# KiCad board ABG-K7072.kicad_pcb (continued)
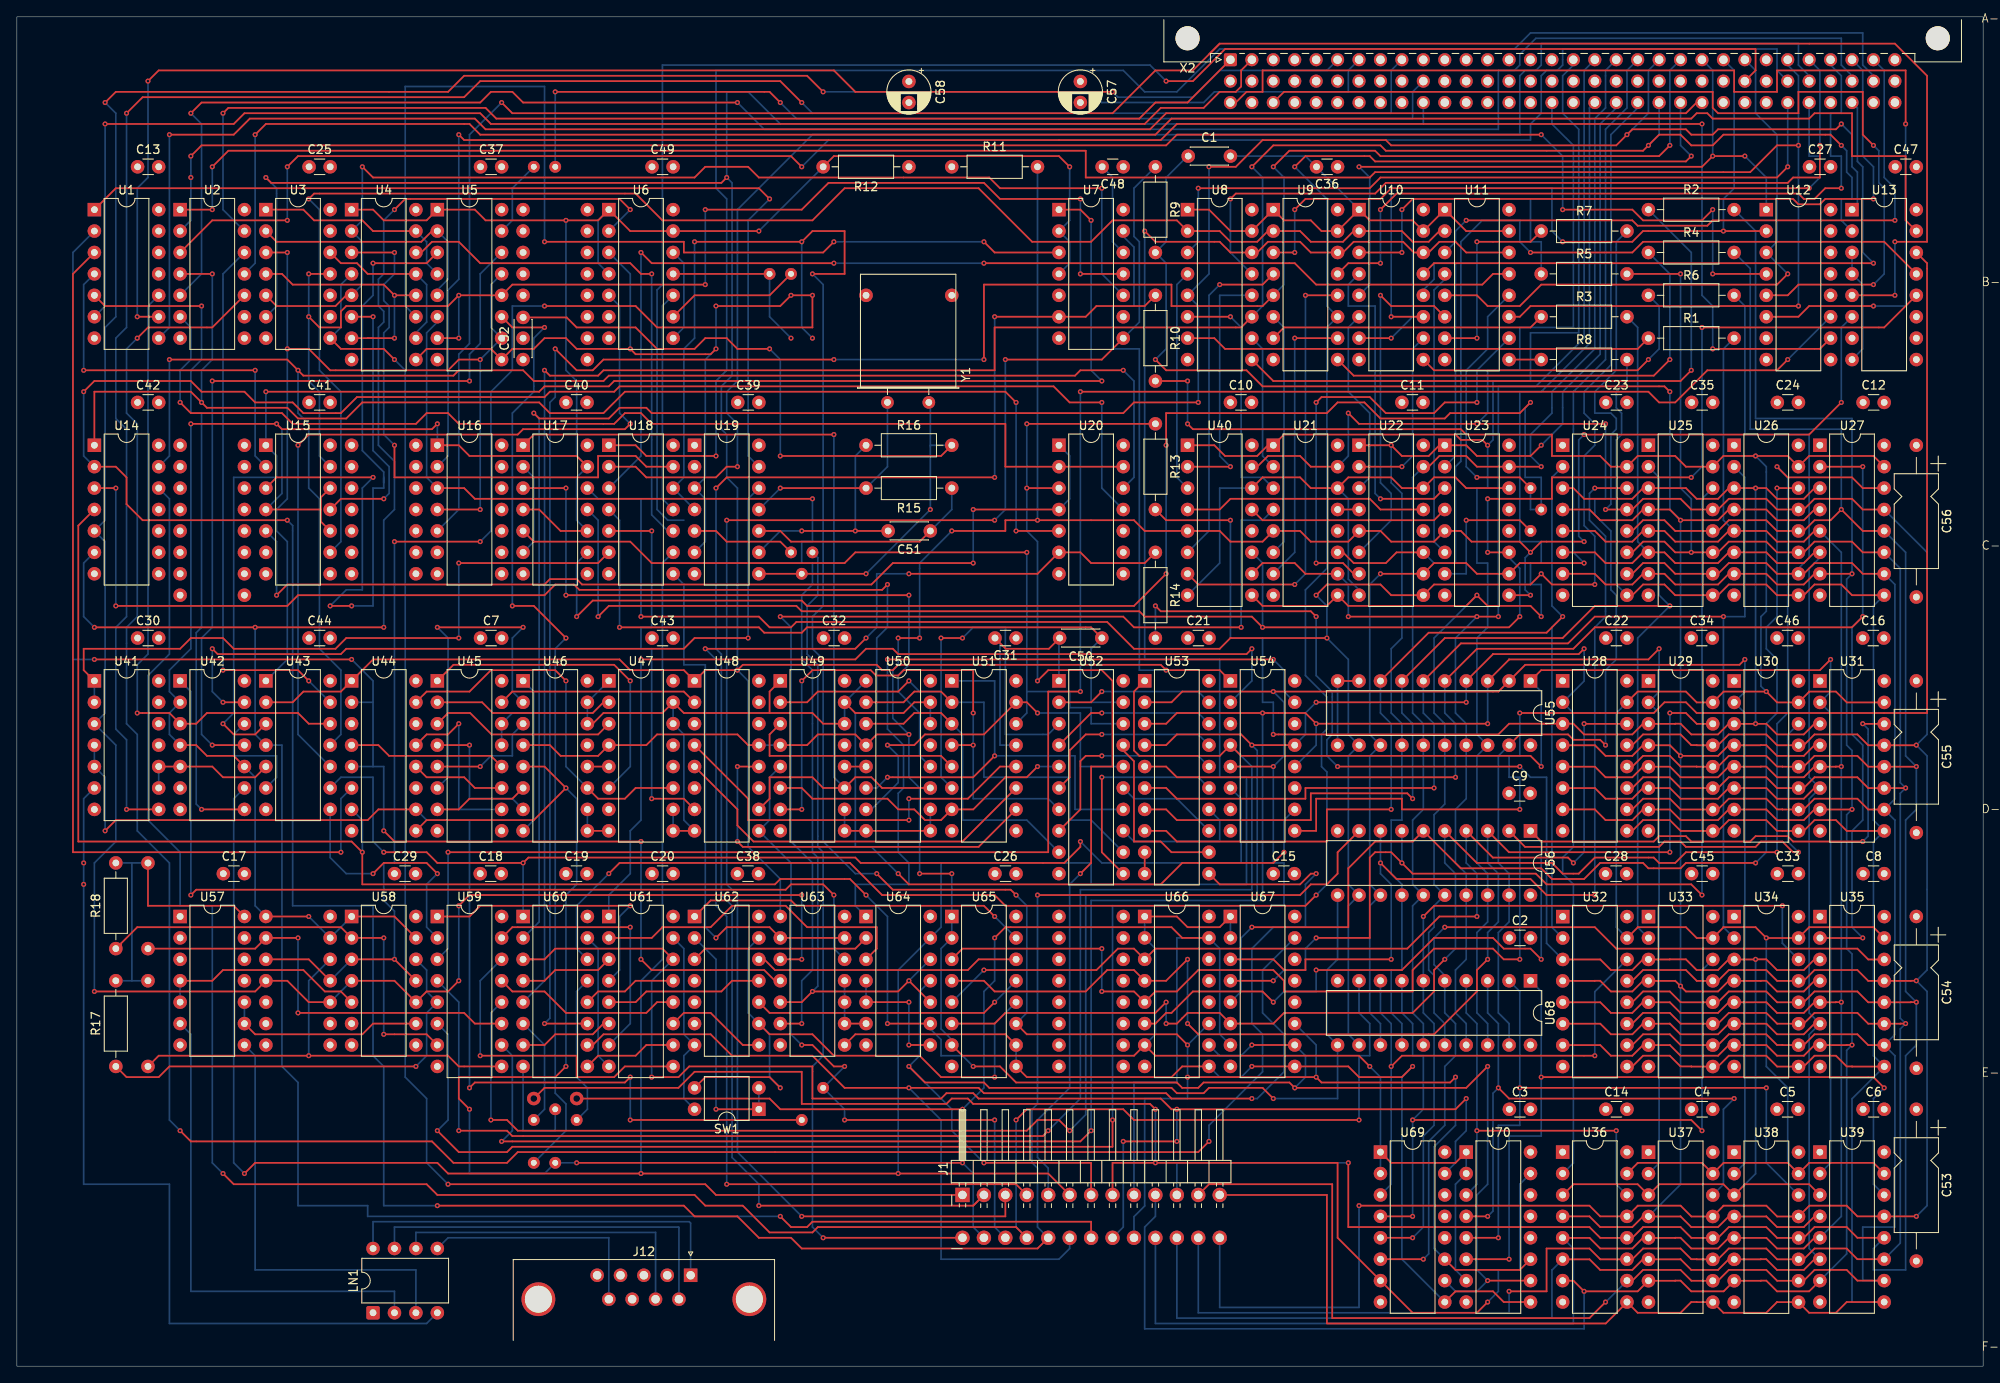
[diagram p0: board, top side]
## Routing (per net, layer and track width the routed paths; a pad name or vN(x,y) marks a point on that pad's centre or on a via; arc(x,y) is an arc through that point) (continued)
Net-(U19-Pad12): length 92.3
  Top w0.2: v1(24.42,78.72) U42.13 ; v1(86.66,86.34) 80.3,86.34 79.03,85.07 39.03,85.07 38.39,84.44 23.79,84.44 v1(23.16,85.07)
  Bottom w0.2: U19.12 86.66,102.85 v1(86.66,86.34) ; v1(23.16,85.07) 23.16,79.99 v1(24.42,78.72)
Net-(U21-1): length 29
  Top w0.2: v1(143.81,124.44) U8.6
  Bottom w0.2: v1(143.81,124.44) 145.07,123.17 145.07,105.39 147.62,105.39 U21.3
Net-(U21-3): length 29
  Bottom w0.2: U9.6 150.16,123.17 150.16,97.77 U21.6
Net-(U21-4): length 34.1
  Top w0.2: v1(151.43,121.9) U9.10
  Bottom w0.2: v1(151.43,121.9) 151.43,96.5 U21.7
Net-(U21-P2): length 2.5
  Top w0.2: U21.13 U22.4
Net-(U21-T2): length 125.1
  Top w0.2: v1(145.07,87.61) 132.38,87.61 131.1,88.88 v1(90.47,88.88) ; v1(93,40.62) U63.6
  Bottom w0.2: v1(90.47,88.88) 91.73,87.61 91.73,62.21 94.28,59.67 94.28,46.97 93,45.7 v1(93,40.62) ; U21.4 147.62,100.31 145.07,100.31 v1(145.07,87.61)
Net-(U22-P2): length 29
  Top w0.2: U22.13 161.59,101.58 160.31,102.85 143.81,102.85 142.53,101.58 U40.4
Net-(U23-4): length 17
  Top w0.2: TP2.1 178.09,100.31 v1(171.75,100.31)
  Bottom w0.2: U23.7 171.75,93.96 v1(171.75,100.31)
Net-(U23-T2): length 23.9
  Top w0.2: U40.13 147.62,100.31 167.94,100.31 U23.4
Net-(U40-1): length 26.5
  Bottom w0.2: U40.3 137.46,105.39 137.46,128.25 U8.4
Net-(U40-3): length 40.2
  Top w0.2: v1(142.53,128.25) 147.62,128.25 U9.4
  Bottom w0.2: U40.6 141.26,99.04 141.26,126.98 v1(142.53,128.25)
Net-(U40-4): length 51.9
  Top w0.2: U9.12 v1(152.69,126.98) ; v1(151.43,92.69) 140,92.69 U40.7
  Bottom w0.2: v1(152.69,126.98) 152.69,93.96 v1(151.43,92.69)
Net-(U41-Pad10): length 16.3
  Top w0.2: U41.10 U42.5 23.16,71.1 24.42,69.83 28.23,69.83 U43.5
  Bottom w0.2: U41.10 U41.9
Net-(U42-Pad1): length 111.3
  Top w0.2: v1(96.81,55.86) 95.54,57.13 91.73,57.13 91.1,56.5 21.25,56.5 v1(20.61,55.86)
  Bottom w0.2: U63.12 96.81,49.51 v1(96.81,55.86) ; v1(20.61,55.86) 20.61,79.99 U42.1
Net-(U42-Pad12): length 13.8
  Bottom w0.2: U42.12 25.69,74.91 25.69,72.37 30.78,72.37 30.78,69.83 U43.6
Net-(U43-Pad10): length 96.4
  Top w0.2: v1(33.31,109.2) 34.58,110.47 59.35,110.47 59.98,111.1 72.05,111.1 v1(72.69,111.74)
  Bottom w0.2: U6.5 71.41,125.71 71.41,113.01 v1(72.69,111.74) ; U43.10 33.31,74.91 v1(33.31,109.2)
Net-(U44-D1): length 18.8
  Top w0.2: U45.12 56.17,72.37 44.11,72.37 42.84,73.64 U44.4
Net-(U44-D3): length 11.2
  Top w0.2: U45.11 54.27,68.56 53,69.83 48.55,69.83 U44.12
Net-(U44-D4): length 21.4
  Top w0.2: U44.13 48.55,74.91 51.09,74.91 v1(52.36,76.18)
  Bottom w0.2: U45.10 52.36,66.02 v1(52.36,76.18)
Net-(U45-A0): length 13.8
  Top w0.2: v1(54.91,71.1) U45.5
  Bottom w0.2: U46.3 58.72,74.91 58.72,72.37 56.17,72.37 v1(54.91,71.1)
Net-(U45-A1): length 40.2
  Top w0.2: v1(49.83,87.61) v1(59.98,87.61)
  Bottom w0.2: U45.6 51.09,69.83 51.09,86.34 v1(49.83,87.61) ; v1(59.98,87.61) 58.72,86.34 58.72,79.99 U46.2
Net-(U45-A2): length 11.2
  Top w0.2: U46.6 58.72,67.29 53.64,67.29 52.36,66.02 U45.7
Net-(U45-A3): length 17
  Top w0.2: v1(53.64,73.64) U45.4
  Bottom w0.2: U46.7 58.72,67.29 53.64,67.29 v1(53.64,73.64)
Net-(U45-A4): length 22.4
  Top w0.2: U45.3 51.09,77.45 53.71,77.45 56.25,74.91 68.88,74.91 U47.3
Net-(U45-A5): length 21.4
  Top w0.2: U45.2 55.13,78.72 56.4,77.45 68.24,77.45 69.51,78.72 U47.2
Net-(U45-A6): length 38.2
  Top w0.2: U45.1 51.73,83.16 70.78,83.16 v1(72.69,81.26)
  Bottom w0.2: v1(72.69,81.26) 72.69,71.1 U47.6
Net-(U45-A7): length 23.9
  Top w0.2: U45.15 58.72,79.99 79.03,79.99 U48.2
Net-(U46-L): length 44.8
  Top w0.2: U46.11 68.88,67.29 72.05,67.29 73.32,68.56 U47.11 ; U44.15 48.55,79.99 53.64,79.99 56.17,82.53 63.8,82.53 v1(65.06,81.26)
  Bottom w0.2: U46.11 65.06,71.1 v1(65.06,81.26)
Net-(U46-P1): length 2.5
  Top w0.2: U46.12 U47.5
Net-(U48-D1): length 47.4
  Top w0.2: U48.4 86.66,67.29 86.66,64.75 v1(105.71,64.75) ; U51.12 116.5,71.1 112.69,67.29 v1(105.71,67.29)
  Bottom w0.2: v1(105.71,64.75) v1(105.71,67.29)
Net-(U48-D2): length 45.5
  Top w0.2: U48.5 85.38,66.02 85.38,64.12 87.29,62.21 112.06,62.21 U51.11
Net-(U49-1): length 26.5
  Top w0.2: U51.5 109.51,72.37 89.19,72.37 89.19,74.91 U49.3
Net-(U49-3): length 37.2
  Top w0.2: v1(120.94,71.1) 119.68,69.83 117.13,69.83 113.32,66.02 U51.7 109.51,64.75 107.61,64.75 106.34,66.02 104.44,66.02 103.16,67.29 94.28,67.29 93,68.56 U49.6
  Bottom w0.2: U52.5 v1(120.94,71.1)
Net-(U49-4): length 67.6
  Top w0.2: v1(93,66.02) U49.7 ; U51.4 v1(113.32,73.64) ; v1(113.32,77.45) 113.32,82.53 105.07,82.53 104.44,81.89 101.81,81.89 101.18,82.53 94.28,82.53 v1(93,81.26)
  Bottom w0.2: U52.7 122.22,67.29 113.32,67.29 v1(113.32,73.64) v1(113.32,77.45) ; v1(93,81.26) v1(93,66.02)
Net-(U49-L): length 104.8
  Top w0.2: U50.11 102.53,68.56 101.26,69.83 99.35,69.83 U49.11 95.54,68.56 94.28,69.83 89.19,69.83 89.19,67.29 U48.10 ; U17.1 61.25,110.47 v1(96.81,110.47)
  Bottom w0.2: v1(96.81,110.47) 96.81,69.83 U49.11
Net-(U49-P1): length 2.5
  Top w0.2: U49.12 U50.5
Net-(U50-1): length 36.2
  Top w0.2: U50.3 105.07,76.18 106.34,77.45 109.51,77.45 U51.3
  Bottom w0.2: U52.9 119.68,64.75 112.06,64.75 112.06,74.91 U51.3
Net-(U50-3): length 52.4
  Top w0.2: v1(103.16,69.83) 113.32,69.83 v1(115.87,72.37)
  Bottom w0.2: v1(103.16,69.83) 101.9,68.56 U50.6 ; U52.14 125.39,66.02 125.39,72.37 v1(115.87,72.37) 115.87,81.26 U51.1
Net-(U50-4): length 47
  Top w0.2: v1(120.94,77.45) 119.68,78.72 U51.15 114.59,74.91 107.61,74.91 106.34,73.64 v1(103.16,73.64)
  Bottom w0.2: v1(120.94,77.45) 126.03,77.45 126.03,71.1 U52.16 ; U50.7 101.26,66.02 104.44,69.19 104.44,72.37 v1(103.16,73.64)
Net-(U50-P1): length 80.8
  Top w0.2: v1(105.71,91.42) v1(65.06,91.42) ; v1(65.06,104.12) U17.3
  Bottom w0.2: v1(105.71,91.42) 105.71,83.16 104.44,81.89 104.44,79.99 106.97,77.45 106.97,72.37 U50.12 ; v1(65.06,91.42) v1(65.06,104.12)
Net-(U51-A1): length 66.7
  Top w0.2: U49.2 93.64,78.72 94.91,79.99 104.44,79.99 v1(105.71,81.26) ; v1(112.06,86.34) v1(109.51,86.34)
  Bottom w0.2: U52.3 122.22,74.91 117.13,74.91 117.13,87.61 113.32,87.61 v1(112.06,86.34) ; U51.6 109.51,69.83 109.51,79.99 ; v1(105.71,81.26) 106.97,79.99 109.51,79.99 ; 109.51,79.99 v1(109.51,86.34)
Net-(U51-A5): length 47.1
  Top w0.2: U51.2 109.51,79.99 106.34,79.99 105.07,78.72 U50.2
  Bottom w0.2: U51.2 114.59,78.72 114.59,69.83 124.75,69.83 124.75,64.75 127.29,64.75 U52.12
Net-(U51-A8): length 97.9
  Top w0.2: U17.5 61.25,97.77 72.69,97.77 75.22,95.23 98.09,95.23 99.35,96.5 v1(119.68,96.5)
  Bottom w0.2: U52.18 127.29,76.18 127.29,78.08 124.75,78.08 124.75,79.99 119.68,79.99 ; U51.14 119.68,77.45 119.68,79.99 ; v1(119.68,96.5) 119.68,79.99
Net-(U52-A0): length 18.8
  Top w0.2: v1(128.56,79.99) 127.29,78.72 U52.2
  Bottom w0.2: v1(128.56,79.99) 140,79.99 U53.19
Net-(U52-A1): length 19.9
  Top w0.2: U52.4 127.29,77.45 v1(128.56,77.45)
  Bottom w0.2: v1(128.56,77.45) 140,77.45 U53.18
Net-(U52-A2): length 22.8
  Top w0.2: U52.6 124.75,69.83 124.75,73 126.66,74.91 v1(128.56,74.91)
  Bottom w0.2: v1(128.56,74.91) 140,74.91 U53.17
Net-(U52-A3): length 25.3
  Top w0.2: U52.8 126.03,66.02 126.03,71.73 126.66,72.37 v1(128.56,72.37)
  Bottom w0.2: v1(128.56,72.37) 140,72.37 U53.16
Net-(U52-A4): length 25.7
  Top w0.2: U52.11 128.56,60.94 v1(128.56,69.83)
  Bottom w0.2: U53.15 140,69.83 v1(128.56,69.83)
Net-(U52-A5): length 16.3
  Bottom w0.2: U53.14 142.53,64.75 142.53,62.21 132.38,62.21 U52.13
Net-(U52-A6): length 12.3
  Bottom w0.2: U52.15 132.38,67.29 137.46,67.29 U53.13
Net-(U52-A7): length 21.4
  Top w0.2: U52.17 131.1,73 132.38,71.73 132.38,62.21 135.55,62.21 136.82,60.94 U53.12
Net-(U53-STB): length 291.6
  Top w0.2: U2.10 23.16,123.17 15.53,123.17 v1(14.27,121.9) ; U53.11 142.53,57.13 152.06,57.13 153.33,58.4 v1(153.97,58.4) ; v1(141.26,26.65) 140,25.38 59.35,25.38 58.08,24.11 51.73,24.11 49.19,26.65 20.61,26.65 v1(19.34,27.92)
  Bottom w0.2: v1(153.97,58.4) 152.69,57.13 152.69,52.05 148.88,52.05 146.34,49.51 146.34,40.62 147.62,39.35 147.62,34.91 141.26,28.56 v1(141.26,26.65) ; v1(19.34,27.92) 18.07,29.19 18.07,59.67 14.27,63.48 14.27,74.91 12.99,76.18 12.99,87.61 14.27,88.88 14.27,111.74 12.99,113.01 12.99,120.63 v1(14.27,121.9)
Net-(U57-Pad4): length 25
  Top w0.2: U58.5 38.39,44.43 36.49,44.43 33.95,46.97 24.42,46.97 23.16,45.7 U57.4
  Bottom w0.2: U57.5 U57.4
Net-(U57-Pad10): length 23.9
  Top w0.2: U57.9 28.23,39.35 40.94,39.35 42.2,40.62 U58.9
  Bottom w0.2: U57.9 U57.10
Net-(U59-A0): length 33.3
  Top w0.2: U59.1 53.64,53.32 54.91,54.59 v1(72.69,54.59)
  Bottom w0.2: U61.4 71.41,46.97 71.41,53.32 v1(72.69,54.59)
Net-(U59-A1): length 30.8
  Top w0.2: v1(72.69,52.05) 58.72,52.05 U59.15
  Bottom w0.2: v1(72.69,52.05) 72.69,40.62 U61.7
Net-(U59-A2): length 38.4
  Top w0.2: v1(54.91,36.81) 66.33,36.81 66.33,34.27 70.78,34.27 72.05,35.54 U61.9
  Bottom w0.2: U59.14 54.91,45.7 v1(54.91,36.81)
Net-(U59-A3): length 22.4
  Top w0.2: U61.12 75.86,43.16 74.59,41.89 65.06,41.89 62.53,44.43 58.72,44.43 U59.13
Net-(U59-CS): length 28.9
  Top w0.2: v1(42.2,58.4) 43.47,59.67 48.55,59.67 v1(49.83,58.4)
  Bottom w0.2: v1(49.83,58.4) 48.55,57.13 48.55,52.05 U59.2 ; v1(42.2,58.4) 39.03,58.4 37.12,60.31 U43.8
Net-(U59-DO0): length 51.4
  Top w0.2: v1(47.28,35.54) 18.07,35.54 16.8,34.27 12.99,34.27 R17.1
  Bottom w0.2: U58.12 48.55,46.97 48.55,44.43 U59.5 48.55,41.89 48.55,36.81 v1(47.28,35.54)
Net-(U59-DO1): length 51.4
  Top w0.2: v1(43.47,50.78) U58.2 38.39,52.05 14.27,52.05 12.36,50.15 12.36,49.51 ; U59.7 48.55,39.35 v1(43.47,39.35)
  Bottom w0.2: v1(43.47,39.35) v1(43.47,50.78)
Net-(U60-0): length 11.2
  Top w0.2: U60.4 62.53,45.7 63.8,46.97 68.88,46.97 U61.3
Net-(U60-1): length 11.2
  Top w0.2: U60.7 62.53,38.08 63.8,39.35 68.24,39.35 69.51,40.62 U61.6
Net-(U60-2): length 11.2
  Top w0.2: U61.10 74.59,38.08 73.32,36.81 68.88,36.81 U60.9
Net-(U60-3): length 11.2
  Top w0.2: U60.12 68.88,44.43 72.05,44.43 73.32,45.7 U61.13
Net-(U61-A0): length 38.7
  Top w0.2: U64.3 101.9,49.51 101.9,52.05 93.64,52.05 91.1,54.59 84.75,54.59 82.21,52.05 76.5,52.05 75.22,50.78 U61.2
Net-(U63-Pad10): length 7.6
  Top w0.2: U63.9 U64.6
  Bottom w0.2: U63.9 U63.11
Net-(U64-Pad4): length 15.2
  Top w0.2: v1(105.71,38.08) U64.8 ; U64.5 v1(105.71,43.16)
  Bottom w0.2: U64.4 U64.5 ; v1(105.71,43.16) v1(105.71,38.08)
Net-(U65-0): length 40.7
  Top w0.2: U62.1 82.21,55.22 91.73,55.22 92.37,54.59 114.59,54.59 v1(115.87,53.32)
  Bottom w0.2: U65.15 v1(115.87,53.32)
Net-(U65-1): length 31.5
  Top w0.2: U62.12 88.56,48.24 89.83,46.97 112.69,46.97 113.96,48.24 U65.14
Net-(U65-2): length 32.6
  Top w0.2: v1(115.87,43.16) 114.59,41.89 89.19,41.89 U62.10
  Bottom w0.2: U65.13 v1(115.87,43.16)
Net-(U65-3): length 71.6
  Top w0.2: SW1.3 81.58,34.27 89.19,34.27 v1(90.47,33) ; v1(115.87,34.27) 109.51,34.27 106.97,36.81 96.81,36.81 94.28,39.35 89.19,39.35 U62.9
  Bottom w0.2: U65.12 115.87,40.62 v1(115.87,34.27) ; U62.13 86.66,49.51 86.66,41.89 U62.9 89.19,39.35 89.19,34.27 v1(90.47,33)
Net-(U65-M0): length 115.8
  Top w0.2: U69.9 170.47,8.87 174.92,8.87 176.19,7.6 U70.9 ; v1(165.4,35.54) 164.12,34.27 159.04,34.27 157.78,35.54 U67.9 v1(146.34,35.54) ; U65.9 119.68,34.27 136.82,34.27 138.09,35.54 U66.9 ; U65.10 117.13,39.35 99.35,39.35 U63.8
  Bottom w0.2: U66.9 142.53,34.27 145.07,34.27 v1(146.34,35.54) ; U69.9 164.12,12.68 164.12,34.27 v1(165.4,35.54) ; U65.10 U65.9
Net-(U66-M1): length 293.1
  Top w0.2: v1(174.28,10.14) U70.10 ; v1(146.34,38.08) U67.10 ; v1(100.62,55.86) 98.72,57.76 90.47,57.76 89.83,57.13 40.94,57.13 v1(40.94,60.94) 39.66,62.21 7.28,62.21 7.28,99.67 U14.4 ; v1(174.28,35.54) 171.75,33 v1(151.43,33) 150.79,33.63 140.63,33.63 140,33 138.09,33 137.46,33.63 118.41,33.63 116.5,35.54 v1(113.32,35.54) ; U64.9 v1(103.16,40.62)
  Bottom w0.2: v1(174.28,35.54) 174.28,21.57 173.01,20.3 173.01,11.41 v1(174.28,10.14) 173.01,8.87 170.47,8.87 U69.10 ; v1(113.32,35.54) 112.06,36.81 109.51,36.81 109.51,38.72 108.25,39.98 U64.9 ; v1(40.94,60.94) 40.94,64.75 U44.7 ; v1(103.16,40.62) 103.16,53.32 v1(100.62,55.86) ; v1(151.43,33) 152.69,34.27 152.69,36.81 U67.10 ; v1(146.34,38.08) 145.07,36.81 142.53,36.81 U66.10
unconnected-(J8-Pin_1-Pad1): length 12.5
  Top w0.2: J8.1 90.47,97.77 84.12,97.77 82.84,99.04 U19.5

## Copper pours and planes (outline as drawn; the poured copper is in the pictures)
+5V on In1.Cu: 91.73,154.92 96.81,154.92 96.81,158.73 136.19,158.73 136.19,154.92 141.26,154.92 141.26,158.73 225.09,158.73 225.09,154.92 232.07,154.92 232.07,6.97 224.45,6.97 224.45,2.52 96.81,2.52 96.81,5.69 92.37,5.69 92.37,2.52 9.19,2.52 9.19,6.33 0.93,6.33 0.93,154.28 7.91,154.28 7.91,158.73 91.73,158.73 ; 4 cut-outs
GND on In2.Cu: 91.73,154.92 96.81,154.92 96.81,158.73 136.19,158.73 136.19,154.92 141.26,154.92 141.26,158.73 225.09,158.73 225.09,154.92 232.07,154.92 232.07,6.97 224.45,6.97 224.45,2.52 96.81,2.52 96.81,5.69 92.37,5.69 92.37,2.52 9.19,2.52 9.19,6.33 0.93,6.33 0.93,154.28 7.91,154.28 7.91,158.73 91.73,158.73 ; 4 cut-outs

## Text on the board
F.Silkscreen: K | I | G | E | C | H | A | X | W | U | S | Q | O | M | F | D | B | A- | B- | C- | D- | E- | F-
